# Altium PCB SPEC-A7.PcbDoc (part 7 of 10)
Units mm, origin at the board's own origin, x right, y up, seen from the top; angles counter-clockwise.
Board outline 160 x 100 mm, 6 copper layers (Top Layer, L2, L3, L4, L5, Bottom Layer), stack 1.61 mm thick; 746 components, 489 nets, 2774 pads, 1740 vias.
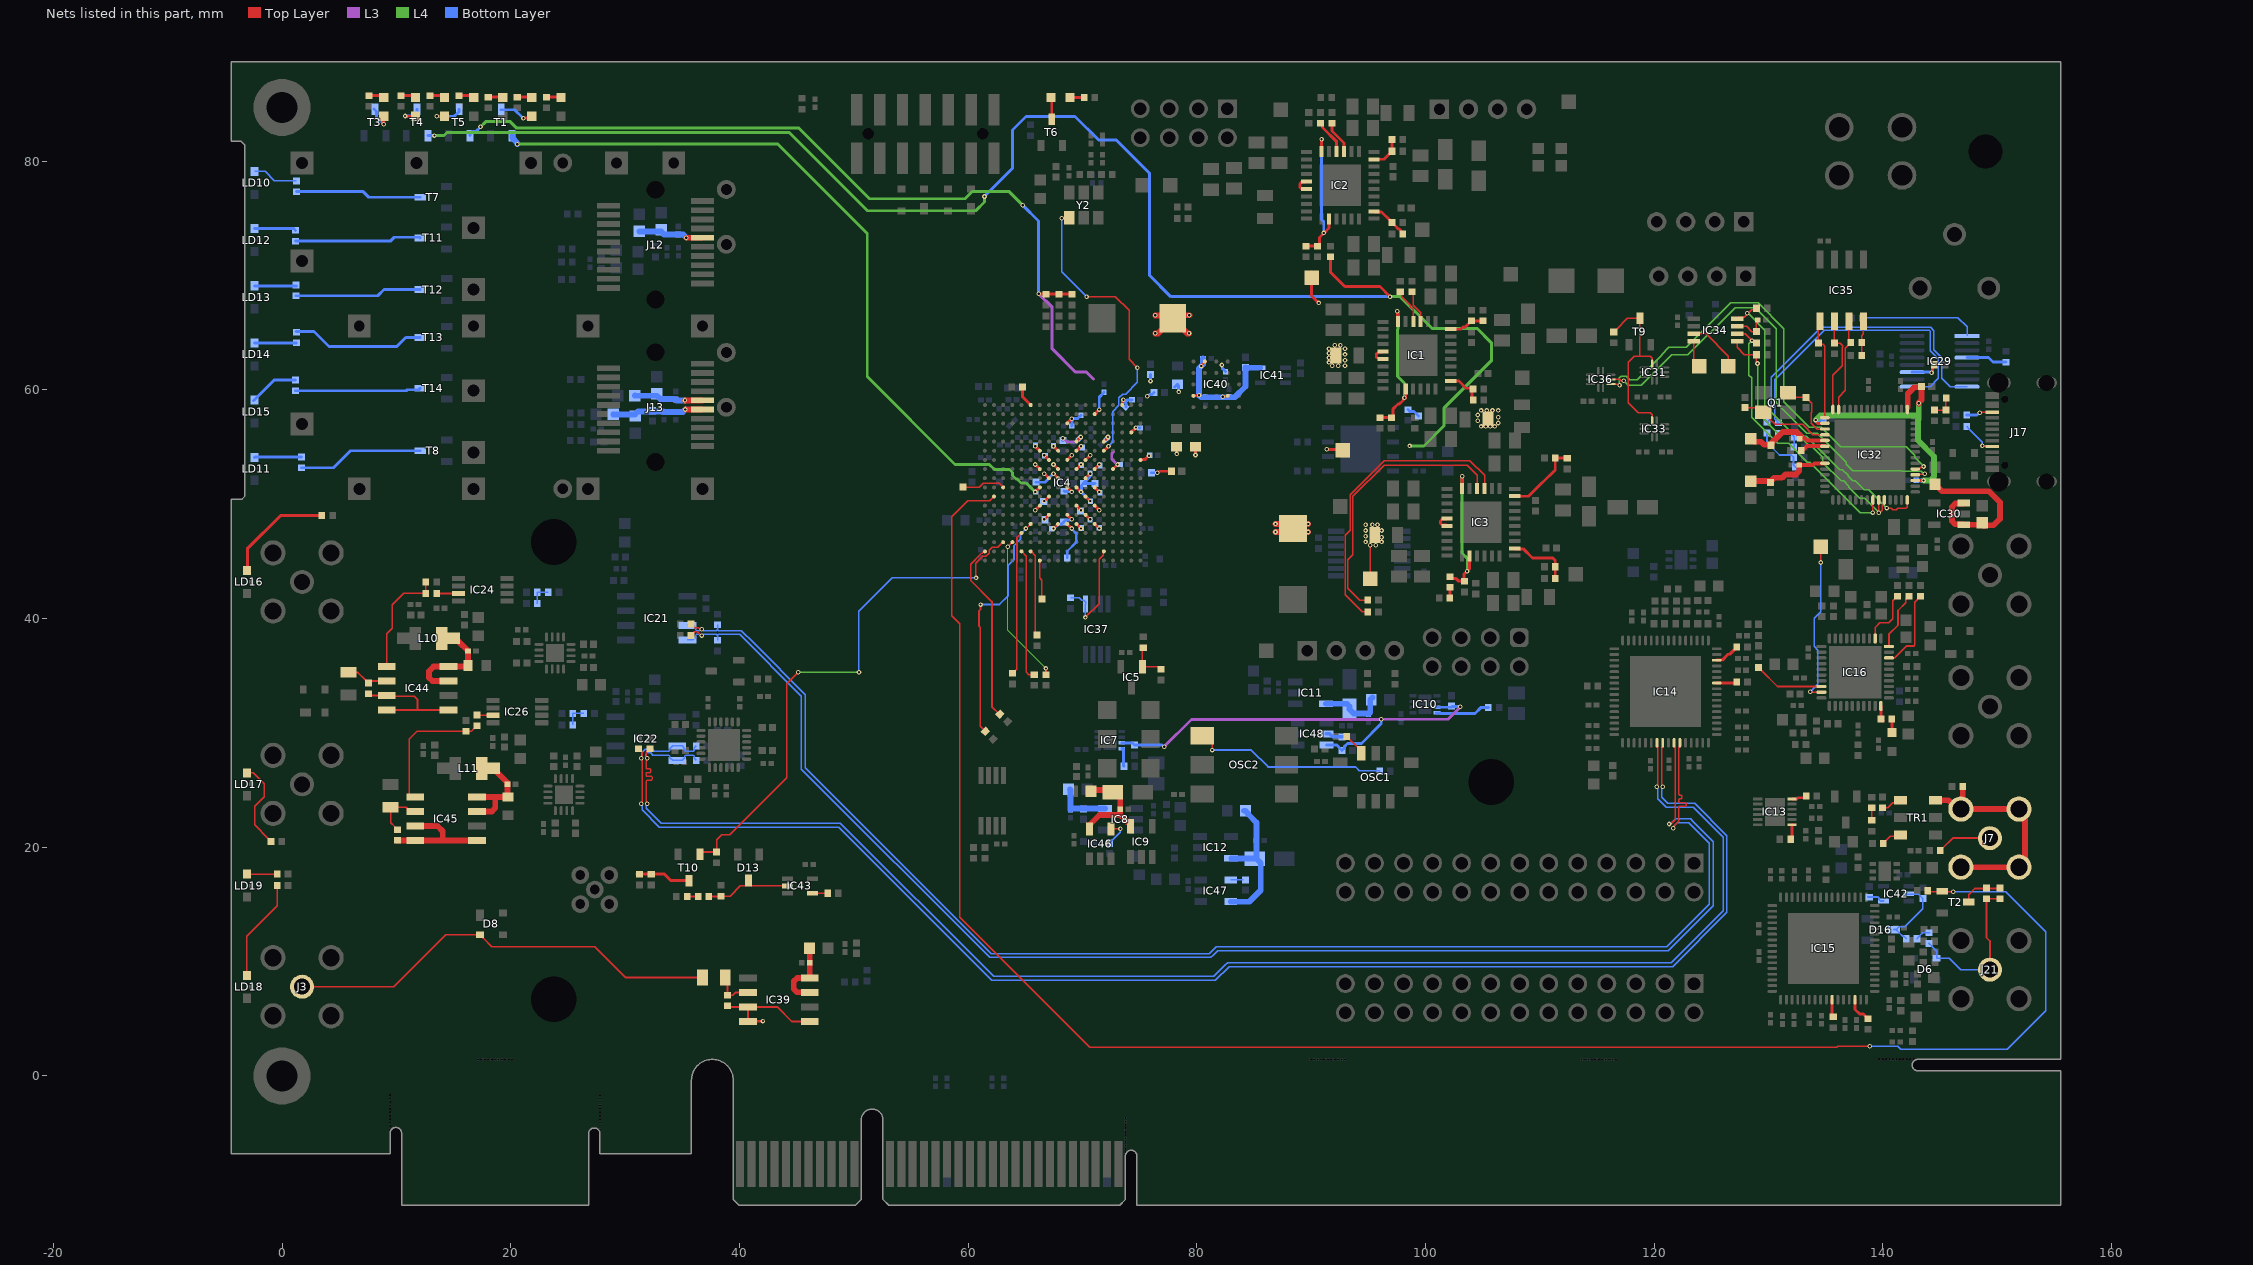
[diagram p11: the nets of this part, all layers, seen from the top]

## Via types
v1: diameter 0.4, hole 0.2, Top Layer to Bottom Layer, tented both sides, 1622 vias
v2: diameter 0.5, hole 0.2, Top Layer to Bottom Layer, tented both sides, 73 vias
v3: diameter 0.4, hole 0.2, Top Layer to Bottom Layer, 45 vias

## Nets (pads, with @x,y where several pads share a name; then routed paths per layer and width w, separated by ;. In a path a pad name is that pad's centre, name@x,y a point inside that pad or via, vN(x,y) a via of type N, cw(c..) or ccw(c..) an arc to the next point about the centre after c; other vN are vias at no path point) (continued)
NetC287_2: C287.2 C288.2 J12.16 L4.2 | length 5.7
  Top Layer w0.508: v1(35.357,73.307) J12.16@36.75,73.307
  Bottom Layer w0.508: L4.2@31.253,73.867 31.264,73.855 33.146,73.855 33.158,73.844 33.428,73.574 35.09,73.574 v1(35.357,73.307)
NetC291_2: C291.2 C292.2 C293.2 C294.2 J13.15 L5.2 | length 8.1
  Top Layer w0.508: v1(35.268,58.283) J13.15@36.75,58.283
  Bottom Layer w0.508: L5.2@28.955,57.853 28.96,57.859 30.866,57.859 30.872,57.864 31.128,58.12 32.34,58.12 C292.2@32.396,58.176 32.452,58.12 33.368,58.12 C293.2@33.412,58.076 C294.2@34.428,58.076 35.061,58.076 v1(35.268,58.283)
NetC295_2: C295.2 C296.2 J13.16 L6.2 | length 6.1
  Top Layer w0.508: v1(35.23,59.083) J13.16@36.75,59.083
  Bottom Layer w0.508: L6.2@30.86,59.504 30.849,59.493 32.777,59.493 33.073,59.197 34.264,59.197 34.307,59.154 C296.2@34.428,59.154 34.499,59.083 v1(35.23,59.083)
NetC301_2: C301.2 IC30.1 IC30.3 L7.2 | length 14.9
  Top Layer w0.508: L7.2@144.55,51.75 145.164,51.136 149.268,51.136 150.236,50.168 150.236,48.719 149.673,48.156 148.873,48.156 148.823,48.106 148.719,48.21 IC30.1@147.075,48.21 147.029,48.256 146.298,48.256 146.029,48.525 146.029,49.766 146.326,50.064 147.029,50.064 IC30.3@147.075,50.11
NetC303_2: C303.2 FB27.2 IC39.7 IC39.8 | length 5.8
  Top Layer w0.508: FB27.2@46.138,10.695 IC39.8@46.138,8.578 45.047,8.578 44.75,8.28 44.75,7.6 45.022,7.328 46.122,7.328 IC39.7@46.15,7.3
NetC312_2: C312.2 IC32.3 Q1.1 | length 6.3
  Top Layer w0.127: Q1.1@132.202,60.243 Q1.1@131.703,59.744 132.103,59.344 C312.2@133.27,59.344 133.517,59.098 133.517,59.087 133.771,58.833 133.771,58.055 133.726,58.01 133.726,57.102 134.251,56.576 IC32.3@134.921,56.576
NetC313_2: C313.2 IC32.4 Q1.3 | length 8
  Top Layer w0.127: C313.2@127.936,58.444 129.103,58.444 Q1.3@129.503,58.044 129.603,58.044 130.14,57.508 130.14,57.408 130.573,56.975 132.964,56.975 133.862,56.076 IC32.4@134.921,56.076
NetC314_1: C314.1 IC34.7 R115.2 | length 2.9
  Top Layer w0.127: IC34.7@127.244,65.555 128.067,65.555 128.519,65.103 R115.2@128.938,65.103 128.938,66.099 C314.1@128.958,66.119
NetC315_2: C315.2 C316.2 IC32.5 L8.2 | length 7.9
  Top Layer w0.356: C316.2@132.731,55.719 132.778,55.766 132.97,55.766 133.012,55.808 133.115,55.808 133.345,55.578 134.92,55.578 IC32.5@134.921,55.576
  Top Layer w0.508: L8.2@128.444,55.707 128.686,55.465 129.335,55.465 129.594,55.206 130.169,55.206 C315.2@130.222,55.153 130.278,55.209 130.278,55.365 131.239,56.325 132.439,56.325 132.731,56.033 C316.2@132.731,55.719
NetC317_2: C317.2 C318.2 IC32.9 L9.2 | length 7.4
  Top Layer w0.356: C318.2@132.679,53.419 133.853,53.419 134.01,53.576 IC32.9@134.921,53.576
  Top Layer w0.508: L9.2@128.444,52.024 130.199,52.024 130.222,52.047 130.493,52.318 131.181,52.318 131.463,52.6 132.381,52.6 132.679,52.898 C318.2@132.679,53.419
NetC333_1: C333.1 R174.2 R175.1 | length 4.6
  Bottom Layer w0.152: R175.1@129.85,56.23 129.85,55.4 130.95,54.3 131.98,54.3 R174.2@132.18,54.1 132.18,53.42 C333.1@132.35,53.25
NetC334_2: C334.2 R176.2 R200.1 | length 2.5
  Bottom Layer w0.152: R200.1@130.85,56.2 131.95,56.2 C334.2@132.25,55.9 132.25,55.07 R176.2@132.18,55
NetC338_2: C338.2 IC46.4 | length 2.5
  Top Layer w0.127: IC46.4@72.5,21.6 73.302,21.6 v3(73.311,21.61)
  Bottom Layer w0.127: C338.2@72.35,20.35 73.311,21.311 v3(73.311,21.61)
NetC339_2: C339.2 IC47.4 | length 1.1
  Bottom Layer w0.127: IC47.4@82.95,17.15 C339.2@84.05,17.15
NetC341_2: C341.2 C354.2 IC44.7 IC44.8 L10.2 | length 10
  Top Layer w0.508: L10.2@13.95,38.263 L10.2@14.95,38.263 15.196,38.017 15.415,38.017 C354.2@16.25,37.182 ; IC44.7@14.55,34.535 13.147,34.535 12.85,34.833 12.85,35.4 13.255,35.805 IC44.8@14.55,35.805 ; IC44.8@14.552,35.803 16.153,35.803 C341.2@16.25,35.9 C354.2@16.25,37.158
NetC342_2: C342.2 C357.2 IC45.7 IC45.8 L11.2 | length 9.4
  Top Layer w0.508: IC45.7@17.05,23.135 18.352,23.135 18.65,23.433 18.65,24.37 ; IC45.8@17.05,24.405 C342.2@19.745,24.405 ; L11.2@17.45,26.9 L11.2@18.45,26.9 18.55,26.9 18.796,26.654 18.796,26.554 19.709,25.641 C357.2@19.709,25.516 ; C357.2@19.719,25.5 19.719,24.431 C342.2@19.75,24.4
NetC344_2: C344.2 IC48.5 | length 1.5
  Bottom Layer w0.305: IC48.5@91.328,29.909 91.628,29.909 91.886,29.65 C344.2@92.7,29.65
NetD6_3: D6.3 J21.1 R80.1 R165.2 R166.2 | length 14.2
  Top Layer w0.155: J21.1@149.35,9.3 149.35,11.8 149.05,12.1 R165.2@149.05,15.5 R166.2@150.25,15.5
  Bottom Layer w0.155: R80.1@144.035,11.58 144.055,11.58 144.267,11.367 144.267,11.352 144.698,10.922 D6.3@144.698,10.302 ; D6.3@144.7,10.3 145.805,10.3 146.809,9.296 J21.1@149.35,9.296
NetD8_2: D8.2 J3.1 R154.1 | length 38.5
  Top Layer w0.155: J3.1@1.75,7.8 9.75,7.8 14.3,12.35 D8.2@17.3,12.35 17.35,12.35 17.574,12.126 17.574,12.076 18.35,11.3 27.35,11.3 30.05,8.6 R154.1@36.75,8.6
NetD13_3: D13.3 IC43.2 R148.2 R152.2 | length 7.2
  Top Layer w0.152: R148.2@37.324,15.688 38.34,15.688 R152.2@38.378,15.726 39.178,15.726 40.081,16.629 40.542,16.629 D13.3@40.791,16.878 ; D13.3@40.791,17.078 D13.3@40.791,16.878 ; IC43.2@43.716,16.629 42.009,16.629 41.04,16.629 D13.3@40.791,16.878
NetD16_3: D16.3 IC42.2 R83.2 R177.2 | length 7
  Bottom Layer w0.152: D16.3@140.95,12.8 D16.3@141.15,12.8 ; D16.3@141.148,12.8 D16.3@141.15,12.8 ; R83.2@142.03,12 142.03,12.02 141.816,12.234 141.714,12.234 141.399,12.549 141.399,12.551 D16.3@141.15,12.8 ; IC42.2@142.071,15.9 143.105,15.9 143.249,15.756 143.249,15.736 143.463,15.522 R177.2@143.483,15.522 143.483,14.637 142.203,13.357 142.199,13.357 141.898,13.055 141.488,13.055 141.481,13.049 141.399,13.049 D16.3@141.15,12.8
NetIC1_3: IC1.3 R6.2 | length 2.8
  Top Layer w0.127: R6.2@98.928,68.57 98.928,67.389 99.566,66.751 IC1.3@99.566,65.991
NetIC1_4: IC1.4 R10.2 | length 3
  Top Layer w0.127: R10.2@97.912,68.57 97.912,68.151 98.674,67.389 98.674,67.283 98.928,67.029 IC1.4@98.928,65.992
NetIC1_6: IC1.6 IC1.18 R4.1 R9.2 | length 12.9
  Top Layer w0.254: R9.2@96.007,57.572 R4.1@97.043,57.572 ; R4.1@97.023,57.572 R4.1@97.043,57.572 ; v1(97.531,66.881) 97.531,66.841 97.56,66.812 97.56,66.039 IC1.6@97.608,65.991 ; v1(98.15,59.3) 98.15,59.26 98.062,59.172 98.062,59.123 97.703,58.764 97.585,58.764 97.163,58.343 97.163,57.692 R4.1@97.043,57.572 ; v1@98.266,59.3 IC1.18@98.266,60.066
  L4 w0.254: v1(97.531,66.881) 97.531,66.841 97.605,66.767 97.605,65.357 97.531,65.283 97.531,61.19 98.15,60.571 v1(98.15,59.3)
NetIC1_11: IC1.11 IC1.12 | length 1.6
  Top Layer w0.254: IC1.12@96.278,62.704 96.23,62.752 95.832,62.752 95.683,62.9 95.683,63.111 95.878,63.306 96.23,63.306 IC1.11@96.278,63.354
NetIC1_24: IC1.24 R13.2 R14.1 | length 3.2
  Top Layer w0.254: IC1.24@102.203,60.754 102.218,60.769 102.912,60.769 103.536,60.144 103.924,60.144 104.046,60.023 R14.1@104.046,59.007
NetIC1_31: IC1.31 R11.1 R12.2 | length 3.1
  Top Layer w0.254: IC1.31@102.203,65.304 103.066,65.304 103.27,65.507 103.466,65.507 103.988,66.03 R11.1@104.008,66.03 R12.2@105.024,66.03
NetIC2_3: IC2.3 R17.2 | length 2.9
  Top Layer w0.254: R17.2@91.816,83.318 91.816,82.645 92.861,81.599 IC2.3@92.861,80.852
NetIC2_4: IC2.4 R19.2 | length 3.1
  Top Layer w0.254: R19.2@90.8,83.318 90.82,83.318 90.983,83.155 90.983,82.939 92.223,81.698 IC2.4@92.223,80.853
NetIC2_6: IC2.6 IC2.18 R16.1 R18.2 | length 13.2
  Top Layer w0.254: R16.1@89.53,72.574 R18.2@90.546,72.574 90.566,72.574 90.729,72.737 90.729,73.321 v1@91.076,73.668 ; IC2.6@90.903,80.852 v1(90.903,81.926) ; v1@91.087,73.657 v1(91.087,73.721) ; v1@91.108,73.7 91.561,74.154 IC2.18@91.561,74.927
  Bottom Layer w0.254: v1(90.903,81.926) 90.903,74.905 91.092,74.717 v1@91.092,73.726
NetIC2_11: IC2.11 IC2.12 | length 1.6
  Top Layer w0.254: IC2.12@89.574,77.565 89.526,77.613 89.123,77.613 89.022,77.713 89.022,78.018 89.171,78.167 89.526,78.167 IC2.11@89.574,78.215
NetIC2_24: IC2.24 R22.1 R23.2 | length 3.4
  Top Layer w0.254: IC2.24@95.499,75.615 95.547,75.567 96.138,75.567 96.878,74.827 96.898,74.827 97.061,74.664 R23.2@97.061,74.644 97.061,74.624 97.224,74.461 97.244,74.461 97.457,74.248 97.457,74.228 97.606,74.08 97.689,74.08 97.838,73.931 97.838,73.791 R22.1@98.001,73.628
NetIC2_31: IC2.31 R20.1 R21.2 | length 2.9
  Top Layer w0.254: IC2.31@95.499,80.165 96.359,80.165 96.878,80.684 96.898,80.684 97.061,80.847 R21.2@97.061,80.867 R20.1@97.061,81.883
NetIC3_3: IC3.3 R26.2 | length 26.2
  Top Layer w0.127: R26.2@94.947,40.592 94.458,40.592 92.957,42.093 92.957,47.303 93.394,47.74 93.394,50.806 96.388,53.8 103.881,53.8 105.154,52.527 IC3.3@105.154,51.386
NetIC3_4: IC3.4 R28.2 | length 23.9
  Top Layer w0.127: R28.2@94.947,41.608 94.242,41.608 93.211,42.639 93.211,45.137 93.65,45.576 93.65,50.681 96.388,53.419 103.627,53.419 104.516,52.53 IC3.4@104.516,51.387
NetIC3_6: IC3.6 IC3.18 R25.2 R201.1 | length 13.3
  Top Layer w0.254: R201.1@102.15,43.67 102.3,43.52 102.63,43.52 102.848,43.302 103.327,43.302 R25.2@103.37,43.259 ; IC3.6@103.196,51.386 v1(103.196,52.443) ; R25.2@103.373,43.259 103.373,43.894 103.618,44.139 v1(103.627,44.139) ; v1@103.627,44.148 103.854,44.374 IC3.18@103.854,45.461
  L4 w0.254: v1(103.196,52.443) 103.196,45.722 103.65,45.268 103.65,44.162 v1(103.627,44.139)
NetIC3_11: IC3.11 IC3.12 | length 1.6
  Top Layer w0.254: IC3.12@101.89,48.123 101.842,48.171 101.444,48.171 101.295,48.319 101.295,48.53 101.49,48.725 101.842,48.725 IC3.11@101.89,48.773
NetIC3_24: IC3.24 R38.1 R39.2 | length 5.6
  Top Layer w0.254: IC3.24@107.791,46.149 107.839,46.101 108.532,46.101 109.342,45.291 111.12,45.291 111.336,45.075 R39.2@111.336,44.529 R38.1@111.336,43.513
NetIC3_31: IC3.31 R29.1 R37.2 | length 6.6
  Top Layer w0.254: IC3.31@107.791,50.699 109.003,50.699 110.153,51.849 110.185,51.849 111.336,53 R29.1@111.336,54.054 111.355,54.035 112.371,54.035 R37.2@112.39,54.016
NetIC4_A6: IC4.A6 R42.1 | length 1.9
  Top Layer w0.254: R42.1@64.747,60.25 64.747,59.393 IC4.A6@65.464,58.676
NetIC4_J9: IC4.J9 L1.1 | length 2.4
  Top Layer w0.254: v1(67.464,52.676) IC4.J9@67.864,52.276
  Bottom Layer w0.254: L1.1@65.926,51.925 66.713,51.925 v1(67.464,52.676)
NetIC4_K3: IC4.K3 TP18.1 | length 3.8
  Top Layer w0.127: TP18.1@59.55,51.5 60.971,51.5 61.312,51.841 62.698,51.841 IC4.K3@63.064,51.476
NetIC4_K10: IC4.K10 R147.1 | length 1.3
  Top Layer w0.254: IC4.K10@68.664,51.476 v1(69.064,51.076)
  Bottom Layer w0.254: R147.1@68.38,51.148 68.424,51.104 69.036,51.104 v1(69.064,51.076)
NetIC4_L2: IC4.L2 R178.2 T2.1 | length 159.7
  Top Layer w0.127: IC4.L2@62.264,50.676 61.888,50.3 59.95,50.3 58.55,48.9 58.55,40.268 59.25,39.568 59.25,13.9 70.65,2.5 135.95,2.5 136.05,2.6 v1(138.85,2.6) ; R178.2@143.92,16.2 144.02,16.1 v1(146.15,16.1)
  Bottom Layer w0.127: v1(138.85,2.6) 141.311,2.6 141.575,2.337 150.886,2.337 154.25,5.7 154.25,12.6 150.75,16.1 v1(146.15,16.1)
NetIC4_P6: IC4.P6 R160.1 | length 21.2
  Top Layer w0.155: v1(61.082,41.227) 61.082,40.811 60.943,40.672 60.943,39.34 61.054,39.229 61.054,30.587 R160.1@61.511,30.129 ; v1@65.066,47.874 65.464,48.272 IC4.P6@65.464,48.276
  Bottom Layer w0.155: v1(61.082,41.227) 62.733,41.227 63.495,41.989 63.495,44.656 64.003,45.164 64.003,46.374 64.564,46.935 64.564,47.369 65.052,47.856 v1(65.052,47.874)
NetIC4_P10: IC4.P10 R43.1 | length 3.6
  Top Layer w0.254: IC4.P10@68.664,48.276 v1(69.064,47.876)
  Bottom Layer w0.203: R43.1@68.664,45.291 68.664,45.888 69.437,46.66 69.437,47.45 69.064,47.822 v1(69.064,47.876)
NetIC4_R5: IC4.R5 R163.1 | length 12.6
  Top Layer w0.155: R163.1@63.896,35.226 63.903,35.226 64.108,35.432 64.108,35.435 64.242,35.569 64.242,44.917 64.261,44.936 64.261,47.079 IC4.R5@64.658,47.476
NetIC4_T3: IC4.T3 R153.2 T10.1 | length 47.3
  Top Layer w0.127: R153.2@37.997,19.587 37.997,20.647 38.45,21.1 39.15,21.1 44.15,26.1 44.15,34.3 v3(45.15,35.3) ; v1(60.687,43.554) 60.673,43.54 60.673,44.837 61.277,45.441 61.546,45.441 61.829,45.724 61.829,45.958 62.112,46.241 62.596,46.241 63.031,46.676 IC4.T3@63.064,46.676
  Top Layer w0.152: T10.1@36.534,19.378 36.743,19.587 R153.2@37.997,19.587
  L4 w0.127: v3(45.15,35.3) v3(50.45,35.3)
  Bottom Layer w0.127: v3(50.45,35.3) 50.45,40.628 53.376,43.554 v1(60.687,43.554)
NetIC4_T4: IC4.T4 R164.1 | length 13.1
  Top Layer w0.155: v1(63.464,46.276) IC4.T4@63.864,46.676 ; R164.1@66.797,35.093 v1(66.797,35.639)
  L4 w0.105: v1(63.464,46.276) 63.464,38.972 63.893,38.543 65.343,37.093 v1(66.797,35.639)
NetIC4_U1: IC4.U1 R159.1 | length 15.9
  Top Layer w0.155: IC4.U1@61.464,45.876 61.411,45.876 61.314,45.779 61.294,45.779 61.225,45.709 61.166,45.709 60.224,44.767 60.224,43.332 62.072,41.484 62.072,32.305 62.724,31.653 R159.1@62.781,31.653
NetIC4_U5: IC4.U5 R162.1 | length 11.5
  Top Layer w0.155: IC4.U5@64.664,45.876 65.076,45.463 65.076,35.327 65.311,35.093 R162.1@65.781,35.093
NetIC4_U6: IC4.U6 R161.1 | length 7.6
  Top Layer w0.155: IC4.U6@65.464,45.876 65.498,45.876 65.867,45.507 65.867,38.727 R161.1@66.035,38.56
NetIC4_V7: IC4.V7 TP19.1 | length 3.5
  Top Layer w0.127: IC4.V7@66.264,45.076 66.251,45.063 66.251,43.554 66.45,43.355 TP19.1@66.45,41.7
NetIC5_1: IC5.1 R44.2 R170.1 | length 3.4
  Top Layer w0.127: R44.2@75.306,37.455 75.24,37.389 IC5.1@75.24,35.777 76.643,35.777 R170.1@76.85,35.57
NetIC7_8: IC7.8 R51.1 | length 1.7
  Bottom Layer w0.254: IC7.8@73.432,28.626 73.565,28.626 73.588,28.603 73.588,27.124 R51.1@73.625,27.086
NetIC10_8: IC10.8 R52.1 | length 4.8
  Bottom Layer w0.254: IC10.8@100.911,31.727 101.293,31.727 101.32,31.7 104.312,31.7 104.819,32.207 R52.1@105.49,32.206
NetIC13_1: IC13.1 R63.2 | length 1.3
  Top Layer w0.254: R63.2@132.05,20.7 IC13.1@132.05,21.975
NetIC13_6: IC13.6 R64.2 | length 1.3
  Top Layer w0.254: IC13.6@132.05,24.225 132.052,24.227 132.458,24.227 132.561,24.33 R64.2@133.279,24.33
NetIC14_58: IC14.58 R68.2 | length 1.8
  Top Layer w0.254: IC14.58@125.459,34.358 125.461,34.36 127.102,34.36 R68.2@127.209,34.467
NetIC14_62: IC14.62 R70.2 | length 2.2
  Top Layer w0.254: IC14.62@125.459,36.358 125.461,36.36 125.938,36.36 126.458,36.88 126.594,36.88 127.209,37.495 R70.2@127.209,37.515
NetIC15_58: IC15.58 R69.2 | length 1.5
  Top Layer w0.254: IC15.58@135.55,6.675 135.552,6.673 135.552,5.268 R69.2@135.65,5.17
NetIC15_62: IC15.62 R71.2 | length 2.3
  Top Layer w0.254: IC15.62@137.55,6.675 137.55,5.817 137.933,5.434 138.256,5.434 138.675,5.015 R71.2@138.695,5.015
NetIC16_8: IC16.8 R53.2 | length 6.2
  Top Layer w0.152: R53.2@129.118,35.717 129.138,35.717 129.352,35.503 129.352,35.483 130.776,34.059 IC16.8@134.618,34.059
NetIC16_9: IC16.9 TP12.1 | length 14.4
  Top Layer w0.127: v1(133.65,33.6) 133.691,33.559 IC16.9@134.618,33.559 ; TP12.1@134.45,46.2 134.55,46.1 v1(134.55,44.9) ; TP12.1@134.55,46.2 TP12.1@134.65,46.3
  Bottom Layer w0.127: v1(133.65,33.6) 134.3,34.25 134.3,37.25 133.982,37.568 133.982,40.032 134.55,40.6 v1(134.55,44.9)
NetIC16_20: IC16.20 R82.2 | length 1.5
  Top Layer w0.254: R82.2@139.818,31.223 R82.2@140.016,31.025 ; IC16.20@139.818,32.359 139.827,32.35 R82.2@139.827,31.149
NetIC16_28: IC16.28 R158.1 | length 7.2
  Top Layer w0.152: IC16.28@140.518,36.559 140.524,36.565 141.042,36.565 141.604,37.126 141.604,37.155 142.043,37.595 142.686,37.595 142.775,37.684 142.775,41.443 R158.1@143.283,41.951
NetIC16_30: IC16.30 R157.1 | length 5.1
  Top Layer w0.152: IC16.30@140.518,37.559 140.518,38.64 141.31,39.432 141.31,40.702 142,41.392 142,41.648 142.033,41.681 142.033,41.737 142.247,41.951 R157.1@142.267,41.951
NetIC16_32: IC16.32 R156.1 | length 4.9
  Top Layer w0.152: IC16.32@139.318,38.259 139.318,39.218 139.727,39.627 140.489,39.627 140.849,39.987 140.849,41.569 R156.1@141.231,41.951
NetIC24_7: IC24.7 R91.1 | length 1.9
  Top Layer w0.152: R91.1@13.555,42.195 IC24.7@15.413,42.195
NetIC26_7: IC26.7 R92.1 | length 1.5
  Top Layer w0.152: R92.1@17.028,31.653 17.137,31.544 IC26.7@18.459,31.544
NetIC29_1: IC29.1 R173.2 | length 10.2
  Bottom Layer w0.127: R173.2@138.22,66.3 146.55,66.3 147.35,65.5 IC29.1@147.35,64.722
NetIC29_4: IC29.4 R171.1 | length 3.6
  Bottom Layer w0.254: IC29.4@147.35,62.817 149.232,62.817 149.62,62.43 R171.1@150.75,62.43
NetIC29_8: IC29.8 R175.2 | length 27.2
  Bottom Layer w0.127: R175.2@129.85,57.17 129.87,57.17 130.096,57.396 130.096,57.416 130.25,57.57 130.25,61.1 134.604,65.454 144.181,65.454 144.45,65.185 144.45,63.5 145.15,62.8 145.15,61 145.872,60.277 IC29.8@147.35,60.277
NetIC29_9: IC29.9 R200.2 | length 26.3
  Bottom Layer w0.127: R200.2@130.85,57.14 130.83,57.14 130.603,57.366 130.603,57.386 130.55,57.44 130.55,60.9 134.85,65.2 144.075,65.2 144.15,65.126 144.15,63.441 144.85,62.741 144.85,61 144.127,60.277 IC29.9@142.55,60.277
NetIC29_11: IC29.11 R172.2 | length 2.5
  Top Layer w0.254: v3(144.25,61.5) 144.25,61.54 144.317,61.607 144.317,62.037 R172.2@144.48,62.2
  Bottom Layer w0.254: IC29.11@142.532,61.565 IC29.11@142.55,61.547 144.163,61.547 144.21,61.5 v3(144.25,61.5)
NetIC31_2: IC31.2 IC33.2 R107.1 T9.3 | length 15.6
  Top Layer w0.127: R107.1@116.454,65.065 116.474,65.065 116.7,65.291 116.7,65.311 117.642,66.253 T9.3@118.74,66.253 118.74,62.944 ; IC33.2@119.81,57.294 119.81,57.81 119.629,57.991 118.613,57.991 117.724,58.88 117.724,62.436 118.232,62.944 118.74,62.944 ; IC31.2@119.81,62.247 119.81,62.763 119.629,62.944 118.74,62.944
NetIC32_1: IC32.1 IC35.1 R120.1 | length 8.6
  Top Layer w0.127: R120.1@134.356,64.093 134.356,64.394 ; IC35.1@134.483,65.525 134.356,65.398 134.356,64.394 ; IC32.1@134.921,57.576 134.921,63.829 134.782,63.968 134.602,63.968 134.516,64.054 134.516,64.233 134.356,64.394
NetIC32_6: IC32.6 R112.2 | length 2.3
  Top Layer w0.356: R112.2@132.851,54.703 132.851,54.723 132.963,54.835 133.085,54.835 133.344,55.094 134.336,55.094 134.354,55.076 IC32.6@134.921,55.076
NetIC32_22: IC32.22 IC34.6 R117.1 | length 24.1
  Top Layer w0.127: IC34.6@127.244,64.905 127.955,64.905 v1(128.548,64.312) 128.713,64.312 R117.1@128.938,64.087 ; v1(139.102,49.272) 139.121,49.291 IC32.22@139.121,50.376
  L4 w0.127: v1(128.548,64.312) 128.265,64.029 128.265,61.293 128.519,61.039 128.519,57.61 130.814,55.314 131.744,55.314 133.386,53.672 133.594,53.672 137.994,49.272 v1(139.102,49.272)
NetIC32_23: IC32.23 IC32.24 IC34.5 R116.1 | length 24.7
  Top Layer w0.127: IC34.5@127.244,64.255 127.244,63.711 127.884,63.071 R116.1@128.938,63.071 128.938,62.472 129.027,62.383 v1(129.027,62.309) ; IC32.23@139.621,50.376 139.621,49.314 139.621,49.273 139.632,49.262 139.684,49.314 139.769,49.314 139.942,49.487 139.942,49.875 140.121,50.054 IC32.24@140.121,50.376
  L4 w0.127: v1(129.027,62.309) 129.027,57.991 130.805,56.213 132.456,56.213 133.631,55.038 133.83,55.038 134.751,54.117 134.751,53.619 136.339,52.031 136.555,52.031 137.018,51.567 137.018,51.479 137.956,50.541 138.388,50.541 139.629,49.3 v1(139.629,49.265)
NetIC32_28: IC32.28 IC34.8 R122.2 | length 27.8
  Top Layer w0.127: IC34.8@127.244,66.205 127.38,66.341 127.852,66.341 128.532,67.021 128.824,67.021 R122.2@128.938,67.135 ; v1(140.338,49.662) 140.728,49.662 140.864,49.526 141.181,49.526 141.284,49.629 142.001,49.629 142.121,49.749 IC32.28@142.121,50.376